# Altium PCB pdb.PcbDoc (part 2 of 3) (continued)
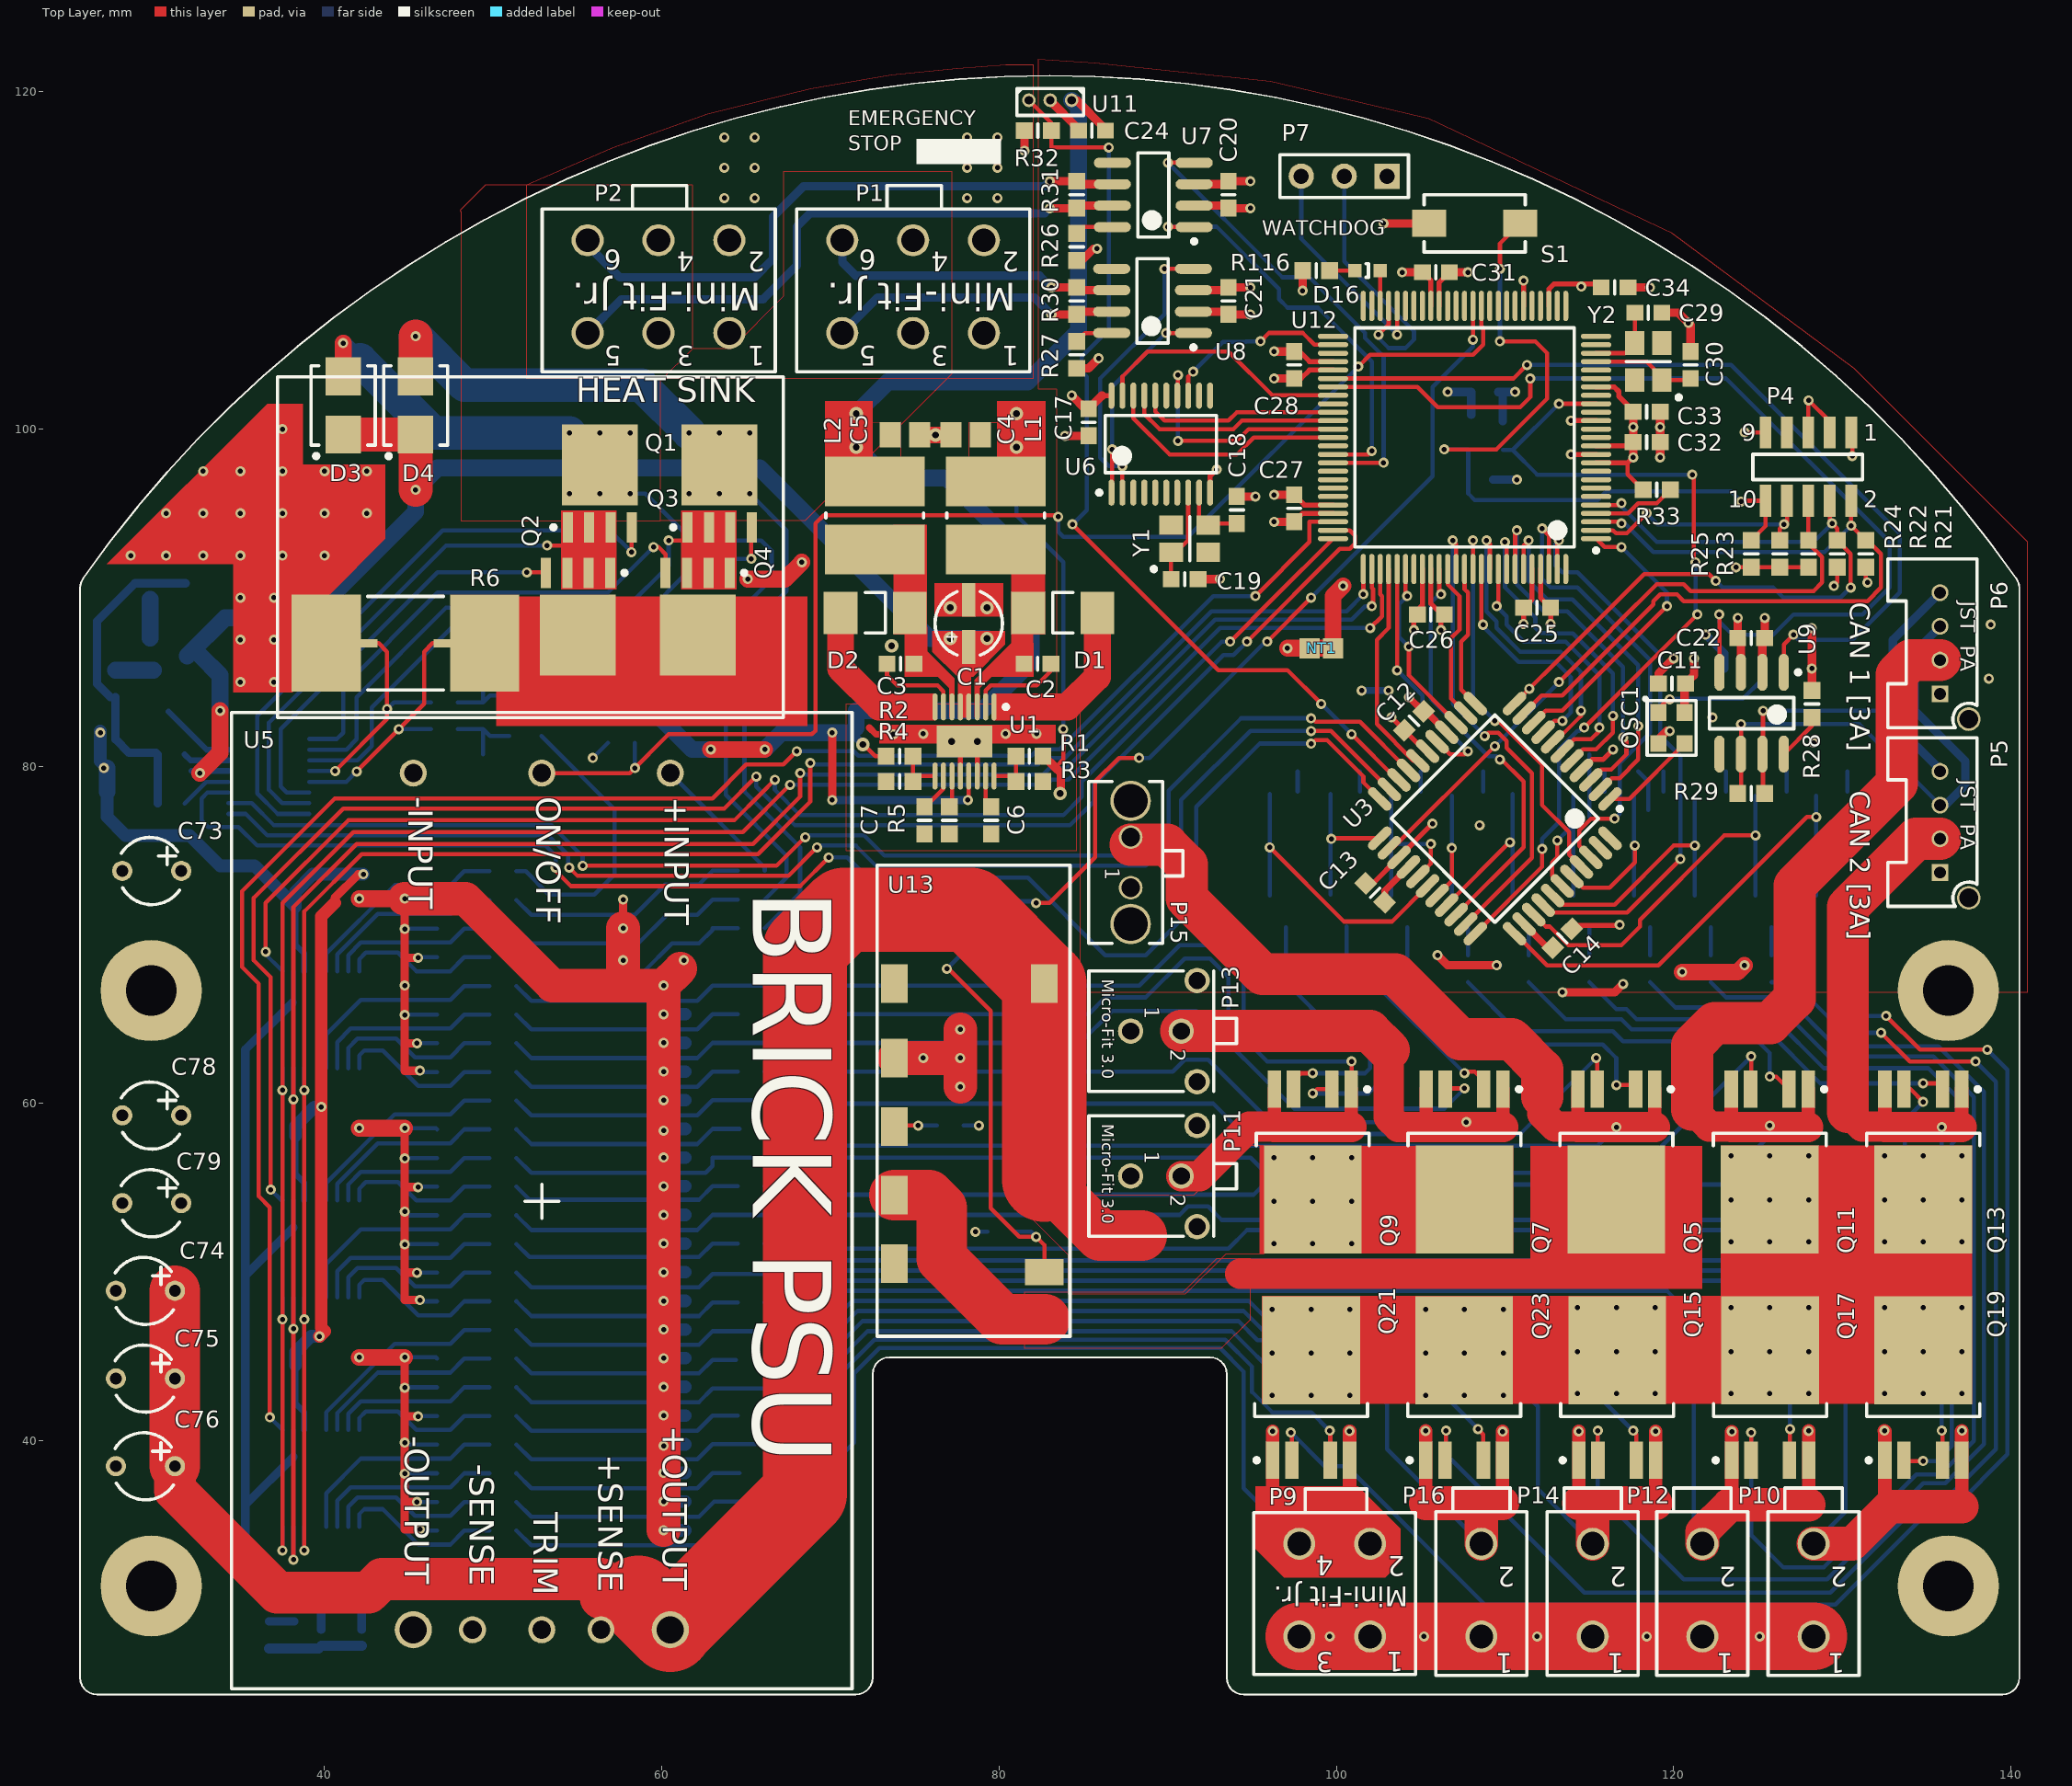
[diagram p0: Top Layer view]
## Nets (pads, with @x,y where several pads share a name; then routed paths per layer and width w, separated by ;. In a path a pad name is that pad's centre, name@x,y a point inside that pad or via, vN(x,y) a via of type N, cw(c..) or ccw(c..) an arc to the next point about the centre after c; other vN are vias at no path point) (continued)
  Bottom Layer w0.25: v1(110.7,94) 110.7,90.8 112.3,89.2 113.7,89.2 117,85.9 v1(117,81.7)
CPLD5: U3.13 U12.86 | length 9.4
  Top Layer w0.25: U12.86@106.6,91.7 106.6,90.788 107.3,90.088 107.3,88.1 106.8,87.6 106.8,84.025 U3.13@107.668,83.158
CPLD6: U3.32 U12.87 | length 28.9
  Top Layer w0.25: v1(106.9,93.4) 107.1,93.2 U12.87@107.1,91.7 ; U3.32@107.668,70.642 111.6,74.575 111.6,79.6 110.1,81.1 110.1,81.5 109.6,82 109,82 v1(108.8,81.8)
  Bottom Layer w0.25: v1(106.9,93.4) 106.9,83.7 v1(108.8,81.8)
CPLD7: U3.12 U12.88 | length 8.6
  Top Layer w0.25: U12.88@107.6,91.7 107.6,90.5 107.8,90.3 107.8,87.8 107.4,87.4 107.4,84.557 U3.12@108.233,83.724
CPLD8: U3.41 U12.89 | length 23.8
  Top Layer w0.25: U12.89@108.1,91.7 v1(108.1,93.4) ; v1(109.4,82.7) 109.6,82.7 112.2,80.1 112.2,77.7 113.8,76.1 113.8,74.763 U3.41@114.527,74.036
  Bottom Layer w0.25: v1(108.1,93.4) 108.1,84 v1(109.4,82.7)
CPLD9: U3.8 U12.90 | length 14.1
  Top Layer w0.25: U12.90@108.6,91.7 108.6,88.5 v1(108.7,88.4) ; U3.8@112.264,82.027 112.937,82.7 v1(113.4,82.7)
  Bottom Layer w0.25: v1(108.7,88.4) 108.7,88.3 110.8,86.2 113,86.2 113.9,85.3 113.9,83.2 v1(113.4,82.7)
CPLD10: U3.7 U12.91 | length 18.2
  Top Layer w0.25: v1(108.9,93.4) 109.1,93.2 U12.91@109.1,91.7 ; U3.7@112.829,81.461 112.974,81.461 114.5,82.987 v1(114.5,83.3)
  Bottom Layer w0.25: v1(108.9,93.4) 108.9,89.2 109.5,88.6 109.5,88.2 110.9,86.8 113.3,86.8 114.5,85.6 v1(114.5,83.3)
CPLD11: U3.6 U12.92 | length 16.3
  Top Layer w0.25: v1(109.5,89.5) 109.6,89.6 U12.92@109.6,91.7 ; U3.6@113.395,80.895 114.1,81.6 115.1,81.6 115.6,82.1 v1(115.6,82.3)
  Bottom Layer w0.25: v1(109.5,89.5) 110.1,88.9 110.1,88.4 111.1,87.4 113.6,87.4 115.6,85.4 v1(115.6,82.3)
CPLD12: U3.5 U12.93 | length 19.8
  Top Layer w0.25: v1(110,93.3) 110.1,93.2 U12.93@110.1,91.7 ; U3.5@113.961,80.329 114.631,81 115.4,81 116.4,82 v1(116.4,83)
  Bottom Layer w0.25: v1(110,93.3) 110,90.6 111.8,88.8 111.8,88.2 112.1,87.9 112.437,87.9 112.462,87.875 114.025,87.875 116.4,85.5 v1(116.4,83)
CPLD13: U3.42 U12.98 | length 28.5
  Top Layer w0.25: v1(112.2,94.1) 112.6,93.7 U12.98@112.6,91.7 ; U3.42@115.092,74.602 114.4,75.294 114.4,76.2 115.1,76.9 v1(116.5,76.9)
  Bottom Layer w0.25: v1(112.2,94.1) 112.2,91.1 112.7,90.6 114.3,90.6 118.6,86.3 118.6,82 116.8,80.2 116.8,77.2 v1(116.5,76.9)
CPLD14: U3.37 U12.99 | length 33.9
  Top Layer w0.25: U3.37@112.264,71.773 112.707,71.33 117.23,71.33 v1(120.4,74.5) ; U12.99@113.1,91.7 113.1,93.3 v1(113.2,93.4)
  Bottom Layer w0.25: v1(113.2,93.4) 113,93.2 113,91.9 113.4,91.5 114.3,91.5 119.2,86.6 119.2,81.8 120.4,80.6 v1(120.4,74.5)
CPLD15: U3.31 U12.85 | length 25.3
  Top Layer w0.25: U12.85@106.1,91.7 106.1,90.3 v1(106.2,90.2) ; U3.31@107.102,71.208 111.1,75.206 111.1,79.1 109.7,80.5 v1(109.7,80.4)
  Bottom Layer w0.25: v1(106.2,90.2) 106.1,90.2 105.6,89.7 105.6,84 109,80.6 109.5,80.6 v1(109.7,80.4)
CPLD_CLK: OSC1.3 U3.1 | length 5.8
  Top Layer w0.25: U3.1@116.224,78.067 117.367,78.067 OSC1.3@120.65,81.35
CPLD_JTAG.TCK: P4.4 R22.1 U3.11 U12.5 | length 45.8
  Top Layer w0.25: U3.11@110.567,83.724 v1(111.443,84.6) 113.071,86.228 ; 113.5,86.657 113.071,86.228 ; U12.5@115.4,95.5 116.8,95.5 v1(116.9,95.6) ; v1(122.5,91) 122.1,91.4 118.243,91.4 113.071,86.228 ; P4.4@129.256,95.75 129.256,94.544 v1(129.4,94.4) 129.7,94.1 R22.1@129.7,93.4 130.5,92.6 v1(130.5,90.6)
  Bottom Layer w0.25: v1(116.9,95.6) 116.9,95.4 119,93.3 128.3,93.3 v1(129.4,94.4) ; v1(122.5,91) 122.9,90.6 125.9,90.6 126.5,90 129.9,90 v1(130.5,90.6)
CPLD_JTAG.TDI: U3.9 U12.1 | length 17.1
  Top Layer w0.25: U3.9@111.698,82.592 112.406,83.3 113.4,83.3 119.2,89.1 v1(119.6,89.5) ; U12.1@115.4,93.5 115.9,93 v1(116.9,93)
  Bottom Layer w0.25: v1(116.9,93) 119.6,90.3 v1(119.6,89.5)
CPLD_JTAG.TDO: P4.6 R24.1 U3.24 | length 37.7
  Top Layer w0.25: U3.24@103.142,75.168 103.368,75.168 v1(109.4,81.2) ; v1(113.2,85) 116.2,88 116.4,88.2 116.7,88.5 119,90.8 120.6,90.8 121,90.4 128.3,90.4 128.8,90.9 128.8,92.4 128,93.2 R24.1@128,93.4 R24.1@128,93.413 ; R24.1@127.987,93.413 P4.6@127.987,95.75
  Bottom Layer w0.25: v1(109.4,81.2) v1(113.2,85)
CPLD_JTAG.TMS: P4.2 R21.1 U3.10 U12.3 | length 47.2
  Top Layer w0.25: U3.10@111.132,83.158 112.175,84.2 113.4,84.2 117.3,88.1 118,88.8 118.8,89.6 118.8,89.8 119.2,90.2 120.2,90.2 120.6,89.8 131.5,89.8 132.3,90.6 132.3,91.3 132.3,92.6 131.5,93.4 R21.1@131.4,93.4 v1(130.525,94.275) P4.2@130.525,95.75 ; U12.3@115.4,94.5 116.8,94.5 v1(116.9,94.4)
  Bottom Layer w0.25: v1(116.9,94.4) 117.1,94.4 118.8,92.7 128.95,92.7 v1(130.525,94.275)
CURRENT: R87.1 U10.1 | length 16.9
  Bottom Layer w0.25: R87.1@51.375,73.775 51.925,73.775 53.3,72.4 56,72.4 57.2,73.6 57.2,77.45 U10.1@52.85,81.8
"CURRENT_REF_U_output controller1": Q23.4 R83.2 R102.1 | length 66.5
  Top Layer w0.25: v1(108.4,40.7) 108.715,40.385 Q23.4@108.715,38.85
  Bottom Layer w0.25: R102.1@51.375,39.775 52.25,38.9 62.1,38.9 R83.2@63,39.8 66.5,39.8 69.6,42.9 69.6,44.8 71.9,47.1 94.2,47.1 95.325,45.975 96.525,45.975 98.3,44.2 104.9,44.2 v1(108.4,40.7)
"CURRENT_REF_U_output controller2": Q5.4 R37.2 R103.1 | length 69.3
  Top Layer w0.25: v1(115.4,62.7) 115.46,62.64 Q5.4@115.46,60.85
  Bottom Layer w0.25: R103.1@51.375,60.175 52.25,59.3 62.1,59.3 R37.2@63,60.2 68.3,60.2 68.5,60 92.7,60 94.5,58.2 110.9,58.2 v1(115.4,62.7)
"CURRENT_REF_U_output controller3": Q7.4 R42.2 R92.1 | length 61.7
  Top Layer w0.25: Q7.4@106.51,60.9 v1(107.6,60.9)
  Bottom Layer w0.25: R92.1@51.375,63.575 52.25,62.7 62.1,62.7 R42.2@63,63.6 84.8,63.6 86.7,65.5 91.7,65.5 97.5,59.7 106.4,59.7 v1(107.6,60.9)
"CURRENT_REF_U_output controller4": Q9.4 R47.2 R94.1 | length 62.3
  Top Layer w0.25: Q9.4@97.46,61.36 97.9,61.8 v1(98.6,61.8)
  Bottom Layer w0.25: R94.1@51.375,66.975 52.25,66.1 62.1,66.1 R47.2@63,67 88.3,67 90.7,69.4 93,69.4 94.5,67.9 94.5,65.2 96.2,63.5 101.5,63.5 102,63 102,62.1 101.7,61.8 v1(98.6,61.8)
"CURRENT_REF_U_output controller5": Q11.4 R52.2 R105.1 | length 79.5
  Top Layer w0.25: Q11.4@124.56,60.85 124.6,60.89 v1(124.6,62.8)
  Bottom Layer w0.25: R105.1@51.375,56.775 52.25,55.9 62.6,55.9 63,56.3 R52.2@63,56.8 94.9,56.8 95.8,55.9 117.7,55.9 v1(124.6,62.8)
"CURRENT_REF_U_output controller6": Q13.4 R57.2 R110.1 | length 92
  Top Layer w0.25: Q13.4@133.66,60.85 134.05,60.85 v1(134.8,60.1)
  Bottom Layer w0.25: R110.1@51.375,53.375 52.25,52.5 62.1,52.5 R57.2@63,53.4 90.7,53.4 91.2,53.9 92.4,53.9 93.2,53.1 132.9,53.1 133.7,53.9 133.7,59 v1(134.8,60.1)
"CURRENT_REF_U_output controller7": Q15.4 R62.2 R97.1 | length 74.1
  Top Layer w0.25: v1(117.6,40.6) 117.79,40.41 Q15.4@117.79,38.85
  Bottom Layer w0.25: R97.1@51.375,43.175 52.25,42.3 62.2,42.3 63,43.1 66.1,43.1 71.3,48.3 94.8,48.3 95.9,47.2 97.7,47.2 97.9,47 110.3,47 113.1,44.2 114,44.2 v1(117.6,40.6)
"CURRENT_REF_U_output controller8": Q17.4 R67.2 R95.1 | length 87.3
  Top Layer w0.25: Q17.4@126.9,38.885 v1(126.9,40.7)
  Bottom Layer w0.25: R95.1@51.375,46.575 52.25,45.7 62.2,45.7 63,46.5 66.7,46.5 69.7,49.5 125.6,49.5 126.9,48.2 v1(126.9,40.7)
"CURRENT_REF_U_output controller9": Q19.4 R72.2 R108.1 | length 96
  Top Layer w0.25: v1(135.9,40.6) 135.94,40.56 Q19.4@135.94,38.85
  Bottom Layer w0.25: R108.1@51.375,49.975 52.25,49.1 62.2,49.1 63,49.9 66.9,49.9 67.7,50.7 133.5,50.7 135.9,48.3 v1(135.9,40.6)
"CURRENT_REF_U_output controller10": Q21.4 R77.2 R100.1 | length 59.9
  Top Layer w0.25: v1(99.6,40.6) 99.64,40.56 Q21.4@99.64,38.85
  Bottom Layer w0.25: R100.1@51.375,36.375 52.25,35.5 62.2,35.5 63.1,36.4 66.6,36.4 70.8,40.6 70.8,44.2 72.6,46 93.4,46 95,44.4 95,42.9 96.2,41.7 98.5,41.7 v1(99.6,40.6)
DEBUG_UART.RXD: P7.2 U12.47 | length 16.1
  Top Layer w0.25: v1(102.5,105.6) 103.1,106.2 U12.47@103.1,107.3
  Bottom Layer w0.25: P7.2@100.46,115 100.46,109.94 104.6,105.8 104.6,105.3 104.1,104.8 103.1,104.8 102.5,105.4 v1(102.5,105.6)
DEBUG_UART.TXD: P7.3 U12.46 | length 13.5
  Top Layer w0.25: v1(103.6,105.6) U12.46@103.6,107.3
  Bottom Layer w0.25: P7.3@97.92,115 97.92,111.28 v1(103.6,105.6)
EN1: Q6.1 R13.2 R39.2 U3.27 | length 10.5
  Top Layer w0.25: U3.27@104.839,73.471 105.6,74.231 v1(105.6,75.4)
  Bottom Layer w0.25: Q6.1@103.25,72.35 103.25,75.9 R13.2@103.25,78.35 ; 103.35,75.4 v1(105.6,75.4)
EN2: Q12.1 R14.2 R54.2 U3.29 | length 9.1
  Top Layer w0.25: U3.29@105.971,72.339 106.85,73.219 v1(106.85,75.15)
  Bottom Layer w0.25: Q12.1@106.85,72.35 v1(106.85,75.15) 106.85,75.3 R14.2@106.85,78.25
EN3: Q20.1 R15.2 R74.2 U3.39 | length 10.2
  Top Layer w0.25: v1@113.1,75.6 113.1,74.6 112.8,74.3 112.8,73.5 U3.39@113.395,72.905
  Bottom Layer w0.25: v1(113.1,75.6) 113.8,76.3 114.05,76.3 ; Q20.1@114.05,72.35 114.05,74.1 114.05,76.3 ; R15.2@114.05,78.25 114.05,76.3
EN4: Q14.1 R16.2 R59.2 U3.30 | length 11.3
  Top Layer w0.25: U3.30@106.536,71.773 110.263,75.5 v1(110.3,75.5)
  Bottom Layer w0.25: Q14.1@110.45,72.35 R16.2@110.45,78.35
EN5: Q18.1 R17.2 R69.2 U3.40 | length 11.6
  Top Layer w0.25: U3.40@113.961,73.471 114.631,72.8 116.2,72.8 117.7,74.3 v1(117.7,75.3)
  Bottom Layer w0.25: Q18.1@117.65,72.35 R17.2@117.65,78.35
EN6: Q16.1 R18.2 R64.2 U3.38 | length 15.2
  Top Layer w0.25: U3.38@113.369,71.8 116.5,71.8 120,75.3 v1(121.25,75.3)
  Bottom Layer w0.25: Q16.1@121.25,72.35 v1(121.25,75.3) R18.2@121.25,78.25
EN7: Q22.1 R19.2 R79.2 U3.34 | length 28.2
  Top Layer w0.25: U3.34@110.567,70.076 110.624,70.076 112.5,68.2 119.1,68.2 127.9,77 v1(128.45,77)
  Bottom Layer w0.25: Q22.1@128.45,72.35 v1(128.45,77) R19.2@128.45,78.25
EN8: Q24.1 R20.2 R85.2 U3.36 | length 22.7
  Top Layer w0.25: U3.36@111.698,71.208 112.406,70.5 112.665,70.5 113.765,69.4 116.9,69.4 118,70.5 118,70.9 123,75.9 v1(124.85,75.9)
  Bottom Layer w0.25: Q24.1@124.85,72.35 v1(124.85,75.9) R20.2@124.85,78.25
EN9: Q8.1 R44.2 R80.2 U3.23 | length 8.8
  Top Layer w0.25: v1(99.7,75.7) 99.733,75.733 U3.23@102.576,75.733
  Bottom Layer w0.25: Q8.1@99.65,72.4 R80.2@99.65,78.35
EN10: Q10.1 R49.2 R111.2 U3.28 | length 18
  Top Layer w0.25: v1(96.05,75.2) 100.45,70.8 103.1,70.8 103.3,70.8 U3.28@105.405,72.905
  Bottom Layer w0.25: Q10.1@96.05,72.35 v1(96.05,75.2) R111.2@96.05,78.35
GND: C1.2 C4.2 C5.2 C6.2 C7.2 C8.1 C9.1 C10.1 C11.2 C12.2 C13.2 C14.2 C15.2 C16.2 C17.2 C18.2 C19.2 C20.2 C21.2 C22.2 C24.2 C25.2 C26.2 C27.2 C28.2 C29.2 C30.2 C31.2 C32.2 C33.2 C34.2 C71.1 D5.2 D6.2 D7.2 D8.2 D9.2 D10.2 D11.2 D12.2 D13.2 D14.2 D15.1 NT1.1 NT2.1 OSC1.2 P3.3 P4.3 P4.5 P4.9 P7.1 Q6.2 Q8.2 Q10.2 Q12.2 Q14.2 Q16.2 Q18.2 Q20.2 Q22.2 Q24.2 R3.1 R4.1 R5.1 R26.1 R27.1 R28.1 R39.1 R44.1 R49.1 R54.1 R59.1 R64.1 R69.1 R74.1 R79.1 R85.1 S1.1 U1.12 U1.14 U1.17 U2.8 U3.4 U3.17 U3.25 U4.1 U6.10 U7.2 U8.2 U9.2 U11.2 U12.11 U12.15 U12.31 U12.41 U12.55 U12.72 U12.83 U12.97 | length 138
  Top Layer w0.25: v1(124.2,99.8) P4.9@125.45,99.8 ; P4.5@127.987,99.8 127.987,101.687 v1(128,101.7) 129.256,100.444 P4.3@129.256,99.8
  Top Layer w0.3: U1.12@77.7,79.425 U1.17@77.7,81.225 ; U1.14@78.7,79.425 U1.17@78.7,81.463 ; U6.10@92.511,96.233 92.511,97.211 v1(92.9,97.6) ; C27.2@97.5,94.5 98,95 U12.72@99.8,95 ; C28.2@97.5,103 97.9,103 98.4,103.5 U12.55@99.8,103.5 ; C13.2@101.734,73.066 102.172,73.066 U3.25@103.708,74.602 105.7,76.594 v1(105.7,76.6) ; v1(103.269,82.9) 105.273,80.895 U3.17@105.405,80.895 ; v2(104.6,88.075) 104.6,89.05 105.1,89.55 U12.83@105.1,91.7 ; U12.41@106.1,107.3 106.1,108.7 C31.2@106.7,109.3 ; U12.31@111.1,107.3 v1(111.1,108.8) ; U12.97@112.1,91.7 112.1,90 C25.2@112.7,89.4 v2(112.7,88.45) ; C14.2@113.766,70.566 116.766,70.566 v1(116.8,70.6) ; v1(113.9,98.5) U12.11@115.4,98.5 ; v1(113.9,100.5) U12.15@115.4,100.5 ; U3.4@114.527,79.764 115.163,80.4 115.8,80.4 v1(116.4,81)
  Top Layer w0.4: 72.3,82.3 72.7,81.9 v2(73.725,81.9)
  Top Layer w0.5: U11.2@83.03,119.47 84.7,117.8 C24.2@84.7,117.7 ; v1(83.9,99.6) C17.2@85.3,99.6 ; R27.1@84.6,103.6 85.3,103.6 v1(85.9,104.2) ; R26.1@84.6,110 84.9,110 85.6,110.7 v1(85.8,110.7) ; U8.2@91.525,106.965 C21.2@93.435,106.965 ; U7.2@91.568,113.251 C20.2@93.449,113.251 ; C19.2@91.8,91.1 v1(93.1,91.1) ; C21.2@93.6,106.8 v1(94.9,106.8) ; C20.2@93.6,113.1 v1(94.9,113.1) ; C18.2@94.1,96 v1(95.2,96) ; v2(96.3,94.5) C27.2@97.5,94.5 ; v2(96.3,103) C28.2@97.5,103 ; v1(102.8,112.2) S1.1@105.5,112.2 ; v1(106,68.8) 106.6,68.2 v1(109.5,68.2) ; C31.2@106.7,109.3 v1(107.8,109.3) ; v2(113.4,66.6) 116.5,66.6 v1(117,67.1) ; C34.2@117.3,108.4 v1(118.6,108.4) ; OSC1.2@119.1,81.35 119.1,81.6 119.6,82.1 v1(119.775,82.1) ; C11.2@119.1,84.9 119.1,85.5 v1(120,86.4) ; v2(119.2,98.325) C33.2@119.2,101.025 ; C29.2@119.3,106.9 120.275,106.9 v2(120.875,106.3) 121,106.175 C30.2@121,104.6 ; U9.2@125.26,85.575 C22.2@125.26,87.46 ; C22.2@125.4,87.6 v1(125.4,88.8) ; v1(128.2,85.8) R28.1@128.2,84.5 v1(128.2,88.2)
  Top Layer w1: v1(65.1,91.1) 67.3,91.1 v1(68.3,92.1) ; C5.2@75.286,99.65 v3(76.225,99.65) C4.2@77.139,99.65 ; NT1.1@99.8,87 99.8,90.1 v1(100.4,90.7) ; v2(120.5,67.8) 123.8,67.8 v2(124.2,68.2)
  Bottom Layer w0.25: 115,77 115,80.7 ; D9.2@117.9,79.7 118.5,79.1 118.5,77.4
  Bottom Layer w0.5: C8.1@27.3,84.1 26.5,84.9 26.5,88.6 28.75,90.85 D15.1@31.75,90.85 ; C8.1@27.6,84.1 27.6,81.6 28.4,80.8 30,80.8 C9.1@30.1,80.7 C71.1@30.1,79.3 C10.1@30.1,77.8 ; C16.2@109.3,97 v1(110.7,97) ; v1(109.5,68.2) v1@109.6,68.2 ; C15.2@109.6,102.2 v1(110.6,102.2) ; U4.1@109.868,100.473 C15.2@109.868,101.932
  Bottom Layer w1: NT2.1@59.741,86.941 60.9,88.1
  other v2: 108.5,76.5 128.3,81.4 75.5,81.925 80.375,81.925 82.225,81.925 122.3,82.9 138.7,85.2 138.8,88.4 119.2,100.125
  other v3: 77.188,81.475 78.712,81.475 77.1,89.4 79.275,89.4
MCU_JTAG.TDI: P4.8 R23.1 U12.2 | length 14.5
  Top Layer w0.25: U12.2@115.4,94 116.4,94 116.575,93.825 117.225,93.825 v1(118.4,95) ; R23.1@126.3,93.4 126.3,94.1 v1(126.55,94.35) 126.719,94.519 P4.8@126.719,95.75
  Bottom Layer w0.25: v1(118.4,95) 119.05,94.35 v1(126.55,94.35)
NetC1_1: C1.1 C8.2 C71.2 D3.2 D4.2 D15.2 L3.1 U1.4 U1.5 U2.5 | length 79.2
  Top Layer w1: v2(32.6,79.6) 33.8,80.8 v1(33.8,83.3)
  Top Layer w2: D3.2@41.1,99.675 D4.2@45.4,99.675 v1(45.4,96.4)
  Bottom Layer w0.35: C71.2@32.117,79.718 U2.5@34.3,79.718
  Bottom Layer w1: C8.2@27.6,85.7 L3.1@29.85,85.7 ; L3.1@29.65,87.6 D15.2@29.65,89.9 ; L3.1@31.85,86.55 34.1,88.8 39.1,88.8 45.4,95.1 v1(45.4,96.4) 46.7,97.7 65.8,97.7 75.925,87.575 v3(77.1,87.575) v3(79.275,87.575) ; 32.65,86.55 33.8,85.4 v1(33.8,83.3)
NetC2_1: C2.1 D1.2 L1.2 U1.3
NetC2_2: C2.2 U1.2 | length 5.8
  Top Layer w0.25: U1.2@79.2,83.525 79.2,84.5 79.5,84.8 82.225,84.8 83.136,85.711 83.136,86.075 C2.2@83.075,86.075
NetC3_1: C3.1 D2.2 L2.1 U1.6
NetC3_2: C3.2 U1.7 | length 5.3
  Top Layer w0.25: C3.2@73.35,86.075 73.35,85.4 73.95,84.8 76.35,84.8 76.7,84.45 U1.7@76.7,83.525
NetC6_1: C6.1 U1.15 | length 1.5
  Top Layer w0.25: C6.1@79.2,77.925 U1.15@79.2,79.425
NetC7_1: C7.1 U1.10 | length 2.3
  Top Layer w0.25: C7.1@75.575,77.6 75.626,77.6 76.7,78.674 U1.10@76.7,79.425
NetC9_2: C9.2 U2.6 | length 2.7
  Bottom Layer w0.35: C9.2@31.7,80.7 32.048,80.353 U2.6@34.3,80.353
NetC10_2: C10.2 U2.4 | length 3.1
  Bottom Layer w0.25: C10.2@31.7,77.8 32.982,79.083 U2.4@34.3,79.083
NetC29_1: C29.1 U12.23 Y2.2 | length 4.3
  Top Layer w0.25: U12.23@115.4,104.5 117.1,104.5 Y2.2@117.7,105.1 C29.1@117.7,106.9
NetC30_1: C30.1 U12.22 Y2.1 | length 5.9
  Top Layer w0.25: U12.22@115.4,104 118.4,104 Y2.1@119.3,103.1 ; Y2.1@119.3,102.9 C30.1@120.9,102.9
NetC35_1: C35.1 R87.2 U14.5 | length 12.7
  Bottom Layer w0.25: U14.5@40.1,67.85 40.1,68.9 44.15,72.95 47.45,72.95 C35.1@48.275,73.775 R87.2@49.775,73.775
NetC38_1: C38.1 R88.2 U14.6 | length 11.4
  Bottom Layer w0.25: U14.6@40.75,67.85 40.75,68.85 43.15,71.25 47.45,71.25 C38.1@48.275,72.075 R88.2@49.775,72.075
NetC39_1: C39.1 R89.2 U14.7 | length 10
  Bottom Layer w0.25: U14.7@41.4,67.85 41.4,68.8 42.15,69.55 47.45,69.55 C39.1@48.275,70.375 R89.2@49.775,70.375
NetC40_1: C40.1 R90.2 U14.8 | length 9.4
  Bottom Layer w0.25: U14.8@42.05,67.85 42.05,68.55 42.45,68.95 44.35,68.95 45.45,67.85 47.45,67.85 C40.1@48.275,68.675 R90.2@49.775,68.675
NetC41_1: C41.1 R91.2 U14.9 | length 9.8
  Bottom Layer w0.25: U14.9@42.05,62.1 42.05,62.85 42.35,63.15 43.45,63.15 45.55,61.05 47.45,61.05 C41.1@48.275,61.875 R91.2@49.775,61.875
NetC42_1: C42.1 R92.2 U14.10 | length 10.6
  Bottom Layer w0.25: U14.10@41.4,62.1 41.4,63.3 41.95,63.85 44.25,63.85 45.35,62.75 47.45,62.75 C42.1@48.275,63.575 R92.2@49.775,63.575
NetC43_1: C43.1 R93.2 U14.11 | length 11.2
  Bottom Layer w0.25: U14.11@40.75,62.1 40.75,63.65 41.55,64.45 47.45,64.45 C43.1@48.275,65.275 R93.2@49.775,65.275
NetC44_1: C44.1 R94.2 U14.12 | length 12.9
  Bottom Layer w0.25: U14.12@40.1,62.1 40.1,64.1 42.15,66.15 47.45,66.15 C44.1@48.275,66.975 R94.2@49.775,66.975
NetC45_1: C45.1 R95.2 U15.5 | length 12.7
  Bottom Layer w0.25: U15.5@40.1,40.65 40.1,41.7 44.15,45.75 47.45,45.75 C45.1@48.275,46.575 R95.2@49.775,46.575
NetC48_1: C48.1 R96.2 U15.6 | length 11.4
  Bottom Layer w0.25: U15.6@40.75,40.65 40.75,41.65 43.15,44.05 47.45,44.05 C48.1@48.275,44.875 R96.2@49.775,44.875
NetC49_1: C49.1 R97.2 U15.7 | length 10
  Bottom Layer w0.25: U15.7@41.4,40.65 41.4,41.6 42.15,42.35 47.45,42.35 C49.1@48.275,43.175 R97.2@49.775,43.175
NetC50_1: C50.1 R98.2 U15.8 | length 9.4
  Bottom Layer w0.25: U15.8@42.05,40.65 42.05,41.35 42.45,41.75 44.35,41.75 45.45,40.65 47.45,40.65 C50.1@48.275,41.475 R98.2@49.775,41.475
NetC51_1: C51.1 R99.2 U15.9 | length 9.8
  Bottom Layer w0.25: U15.9@42.05,34.9 42.05,35.65 42.35,35.95 43.45,35.95 45.55,33.85 47.45,33.85 C51.1@48.275,34.675 R99.2@49.775,34.675
NetC52_1: C52.1 R100.2 U15.10 | length 10.6
  Bottom Layer w0.25: U15.10@41.4,34.9 41.4,36.1 41.95,36.65 44.25,36.65 45.35,35.55 47.45,35.55 C52.1@48.275,36.375 R100.2@49.775,36.375
NetC53_1: C53.1 R101.2 U15.11 | length 11.2
  Bottom Layer w0.25: U15.11@40.75,34.9 40.75,36.45 41.55,37.25 47.45,37.25 C53.1@48.275,38.075 R101.2@49.775,38.075
NetC54_1: C54.1 R102.2 U15.12 | length 12.9
  Bottom Layer w0.25: U15.12@40.1,34.9 40.1,36.9 42.15,38.95 47.45,38.95 C54.1@48.275,39.775 R102.2@49.775,39.775
NetC55_1: C55.1 R103.2 U16.5 | length 12.7
  Bottom Layer w0.25: U16.5@40.1,54.25 40.1,55.3 44.15,59.35 47.45,59.35 C55.1@48.275,60.175 R103.2@49.775,60.175
NetC58_1: C58.1 R104.2 U16.6 | length 11.4
  Bottom Layer w0.25: U16.6@40.75,54.25 40.75,55.25 43.15,57.65 47.45,57.65 C58.1@48.275,58.475 R104.2@49.775,58.475
NetC59_1: C59.1 R105.2 U16.7 | length 10
  Bottom Layer w0.25: U16.7@41.4,54.25 41.4,55.2 42.15,55.95 47.45,55.95 C59.1@48.275,56.775 R105.2@49.775,56.775
NetC60_1: C60.1 R106.2 U16.8 | length 9.4
  Bottom Layer w0.25: U16.8@42.05,54.25 42.05,54.95 42.45,55.35 44.35,55.35 45.45,54.25 47.45,54.25 C60.1@48.275,55.075 R106.2@49.775,55.075
NetC61_1: C61.1 R107.2 U16.9 | length 9.8
  Bottom Layer w0.25: U16.9@42.05,48.5 42.05,49.25 42.35,49.55 43.45,49.55 45.55,47.45 47.45,47.45 C61.1@48.275,48.275 R107.2@49.775,48.275
NetC62_1: C62.1 R108.2 U16.10 | length 10.6
  Bottom Layer w0.25: U16.10@41.4,48.5 41.4,49.7 41.95,50.25 44.25,50.25 45.35,49.15 47.45,49.15 C62.1@48.275,49.975 R108.2@49.775,49.975
NetC63_1: C63.1 R109.2 U16.11 | length 11.2
  Bottom Layer w0.25: U16.11@40.75,48.5 40.75,50.05 41.55,50.85 47.45,50.85 C63.1@48.275,51.675 R109.2@49.775,51.675
NetC64_1: C64.1 R110.2 U16.12 | length 12.9
  Bottom Layer w0.25: U16.12@40.1,48.5 40.1,50.5 42.15,52.55 47.45,52.55 C64.1@48.275,53.375 R110.2@49.775,53.375
NetC68_1: C68.1 C69.2 R114.1 U10.3 | length 4.7
  Bottom Layer w0.25: R114.1@47.9,82.2 C68.1@49.4,82.2 ; C69.2@49.4,80.7 C68.1@49.4,82.2 ; U10.3@50.95,81.8 49.8,81.8 C68.1@49.4,82.2
NetC68_2: C68.2 C70.2 R115.1 U10.4 | length 4.7
  Bottom Layer w0.25: R115.1@47.9,83.8 C68.2@49.4,83.8 ; C70.2@49.4,85.3 C68.2@49.4,83.8 ; U10.4@50.95,84.2 49.8,84.2 C68.2@49.4,83.8
NetD1_1: D1.1 U1.1 | length 9.7
  Top Layer w1.6: 80.7,83.525 84.05,83.525 85.825,85.3 D1.1@85.825,89.1
NetD2_1: D2.1 U1.8 | length 8.9
  Top Layer w1.6: D2.1@70.6,89.1 70.6,85.8 72.875,83.525 73.676,83.525 75.225,83.525
NetD5_1: D5.1 R13.1 | length 1.2
  Bottom Layer w0.25: R13.1@105,78.5 D5.1@105,79.7
NetD6_1: D6.1 R14.1 | length 1.2
  Bottom Layer w0.25: R14.1@108.7,78.5 D6.1@108.7,79.7
NetD7_1: D7.1 R15.1 | length 1.2
  Bottom Layer w0.25: R15.1@115.9,78.5 D7.1@115.9,79.7
NetD8_1: D8.1 R16.1 | length 1.2
  Bottom Layer w0.25: R16.1@112.2,78.5 D8.1@112.2,79.7
NetD9_1: D9.1 R17.1 | length 1.2
  Bottom Layer w0.25: R17.1@119.4,78.5 D9.1@119.4,79.7
NetD10_1: D10.1 R18.1 | length 1.2
  Bottom Layer w0.25: R18.1@123.1,78.5 D10.1@123.1,79.7
NetD11_1: D11.1 R19.1 | length 1.2
  Bottom Layer w0.25: R19.1@130.3,78.5 D11.1@130.3,79.7
NetD12_1: D12.1 R20.1 | length 1.2
  Bottom Layer w0.25: R20.1@126.7,78.5 D12.1@126.7,79.7
NetD13_1: D13.1 R80.1 | length 1.2
  Bottom Layer w0.25: R80.1@101.4,78.5 D13.1@101.4,79.7
NetD14_1: D14.1 R111.1 | length 1.2
  Bottom Layer w0.25: R111.1@97.7,78.5 D14.1@97.7,79.7
NetD16_1: D16.1 R116.1 | length 1.5
  Top Layer w0.25: R116.1@99.6,109.4 D16.1@101.1,109.4
NetL3_2: L3.2 U2.7 | length 4.5
  Bottom Layer w0.35: L3.2@30.75,83.25 33.012,80.988 U2.7@34.3,80.988
NetP5_2: P5.2 Q13.1 Q13.5 R55.2 | length 106.6
  Top Layer w0.8: 132.52,58.64 Q13.5@132.52,60.85 ; 137.08,58.62 Q13.1@137.08,60.85
  Top Layer w1.8: 130.325,59.5 131.185,58.64 132.52,58.64 ; 132.52,58.62 137.08,58.62
  Top Layer w2.5: 130.325,59.5 130.325,71.65 134.375,75.7 P5.2@135.8,75.7
  Bottom Layer w0.25: R55.2@66.1,51.7 66.4,51.4 93.6,51.4 94.7,52.5 134.6,52.5 135.9,53.8 v1(135.9,58.6)
NetP6_2: P6.2 Q11.1 Q11.5 R50.2 | length 109.3
  Top Layer w0.8: 123.42,58.64 Q11.5@123.42,60.85 ; 127.98,58.62 Q11.1@127.98,60.85
  Top Layer w1.8: 121.1,59.65 122.11,58.64 123.42,58.64 ; 123.42,58.62 127.98,58.62
  Top Layer w2.5: 121.1,59.65 121.1,60.928 121.1,63.45 122.425,64.775 124.306,64.775 125.725,64.775 127.175,66.225 127.175,72.925 133.225,78.975 133.225,85.45 134.075,86.3 P6.2@135.8,86.3
  Bottom Layer w0.25: R50.2@66.1,55.1 67.9,55.1 68.4,54.6 90.9,54.6 95.1,54.6 95.7,55.2 122.8,55.2 125.7,58.1 v1(125.7,58.7)
NetP9_2: P9.2 P9.4 Q21.1 Q21.5 R75.2 | length 60.4
  Top Layer w0.8: 96.22,36.32 Q21.1@96.22,38.85 v1(96.22,40.58) ; 100.78,36.32 Q21.5@100.78,38.85 v1(100.78,40.58)
  Top Layer w2: 96.22,36.32 100.78,36.32
  Bottom Layer w0.25: R75.2@66.2,34.7 71.4,39.9 71.4,44 72.9,45.5 93.1,45.5 94.5,44.1 94.5,37.2 P9.4@97.8,33.9
NetP10_2: P10.2 Q19.1 Q19.5 R70.2 | length 98.9
  Top Layer w0.8: v1(132.5,40.6) 132.52,40.58 Q19.1@132.52,38.85 132.52,36.12 ; Q19.5@137.08,38.85 137.08,40.58 v1(137.1,40.6) ; 137.1,36.1 Q19.5@137.1,38.83
  Top Layer w2: P10.2@128.3,33.9 130.6,33.9 132.8,36.1 137.1,36.1
  Bottom Layer w0.25: R70.2@66.1,48.2 66.8,48.2 68.7,50.1 127.3,50.1 130.2,47.2 130.2,35.8 P10.2@128.3,33.9